# Altium PCB PCB1.PcbDoc (part 3 of 9)
Units mil, origin at the board's own origin, x right, y up, seen from the top; angles counter-clockwise.
Board outline 6000 x 4000 mil, 7 copper layers (Top Layer, InternalPlane1, MidLayer1, InternalPlane2, Internal Plane 3, MidLayer2, Bottom Layer); 389 components, 0 nets, 1750 pads, 1189 vias.
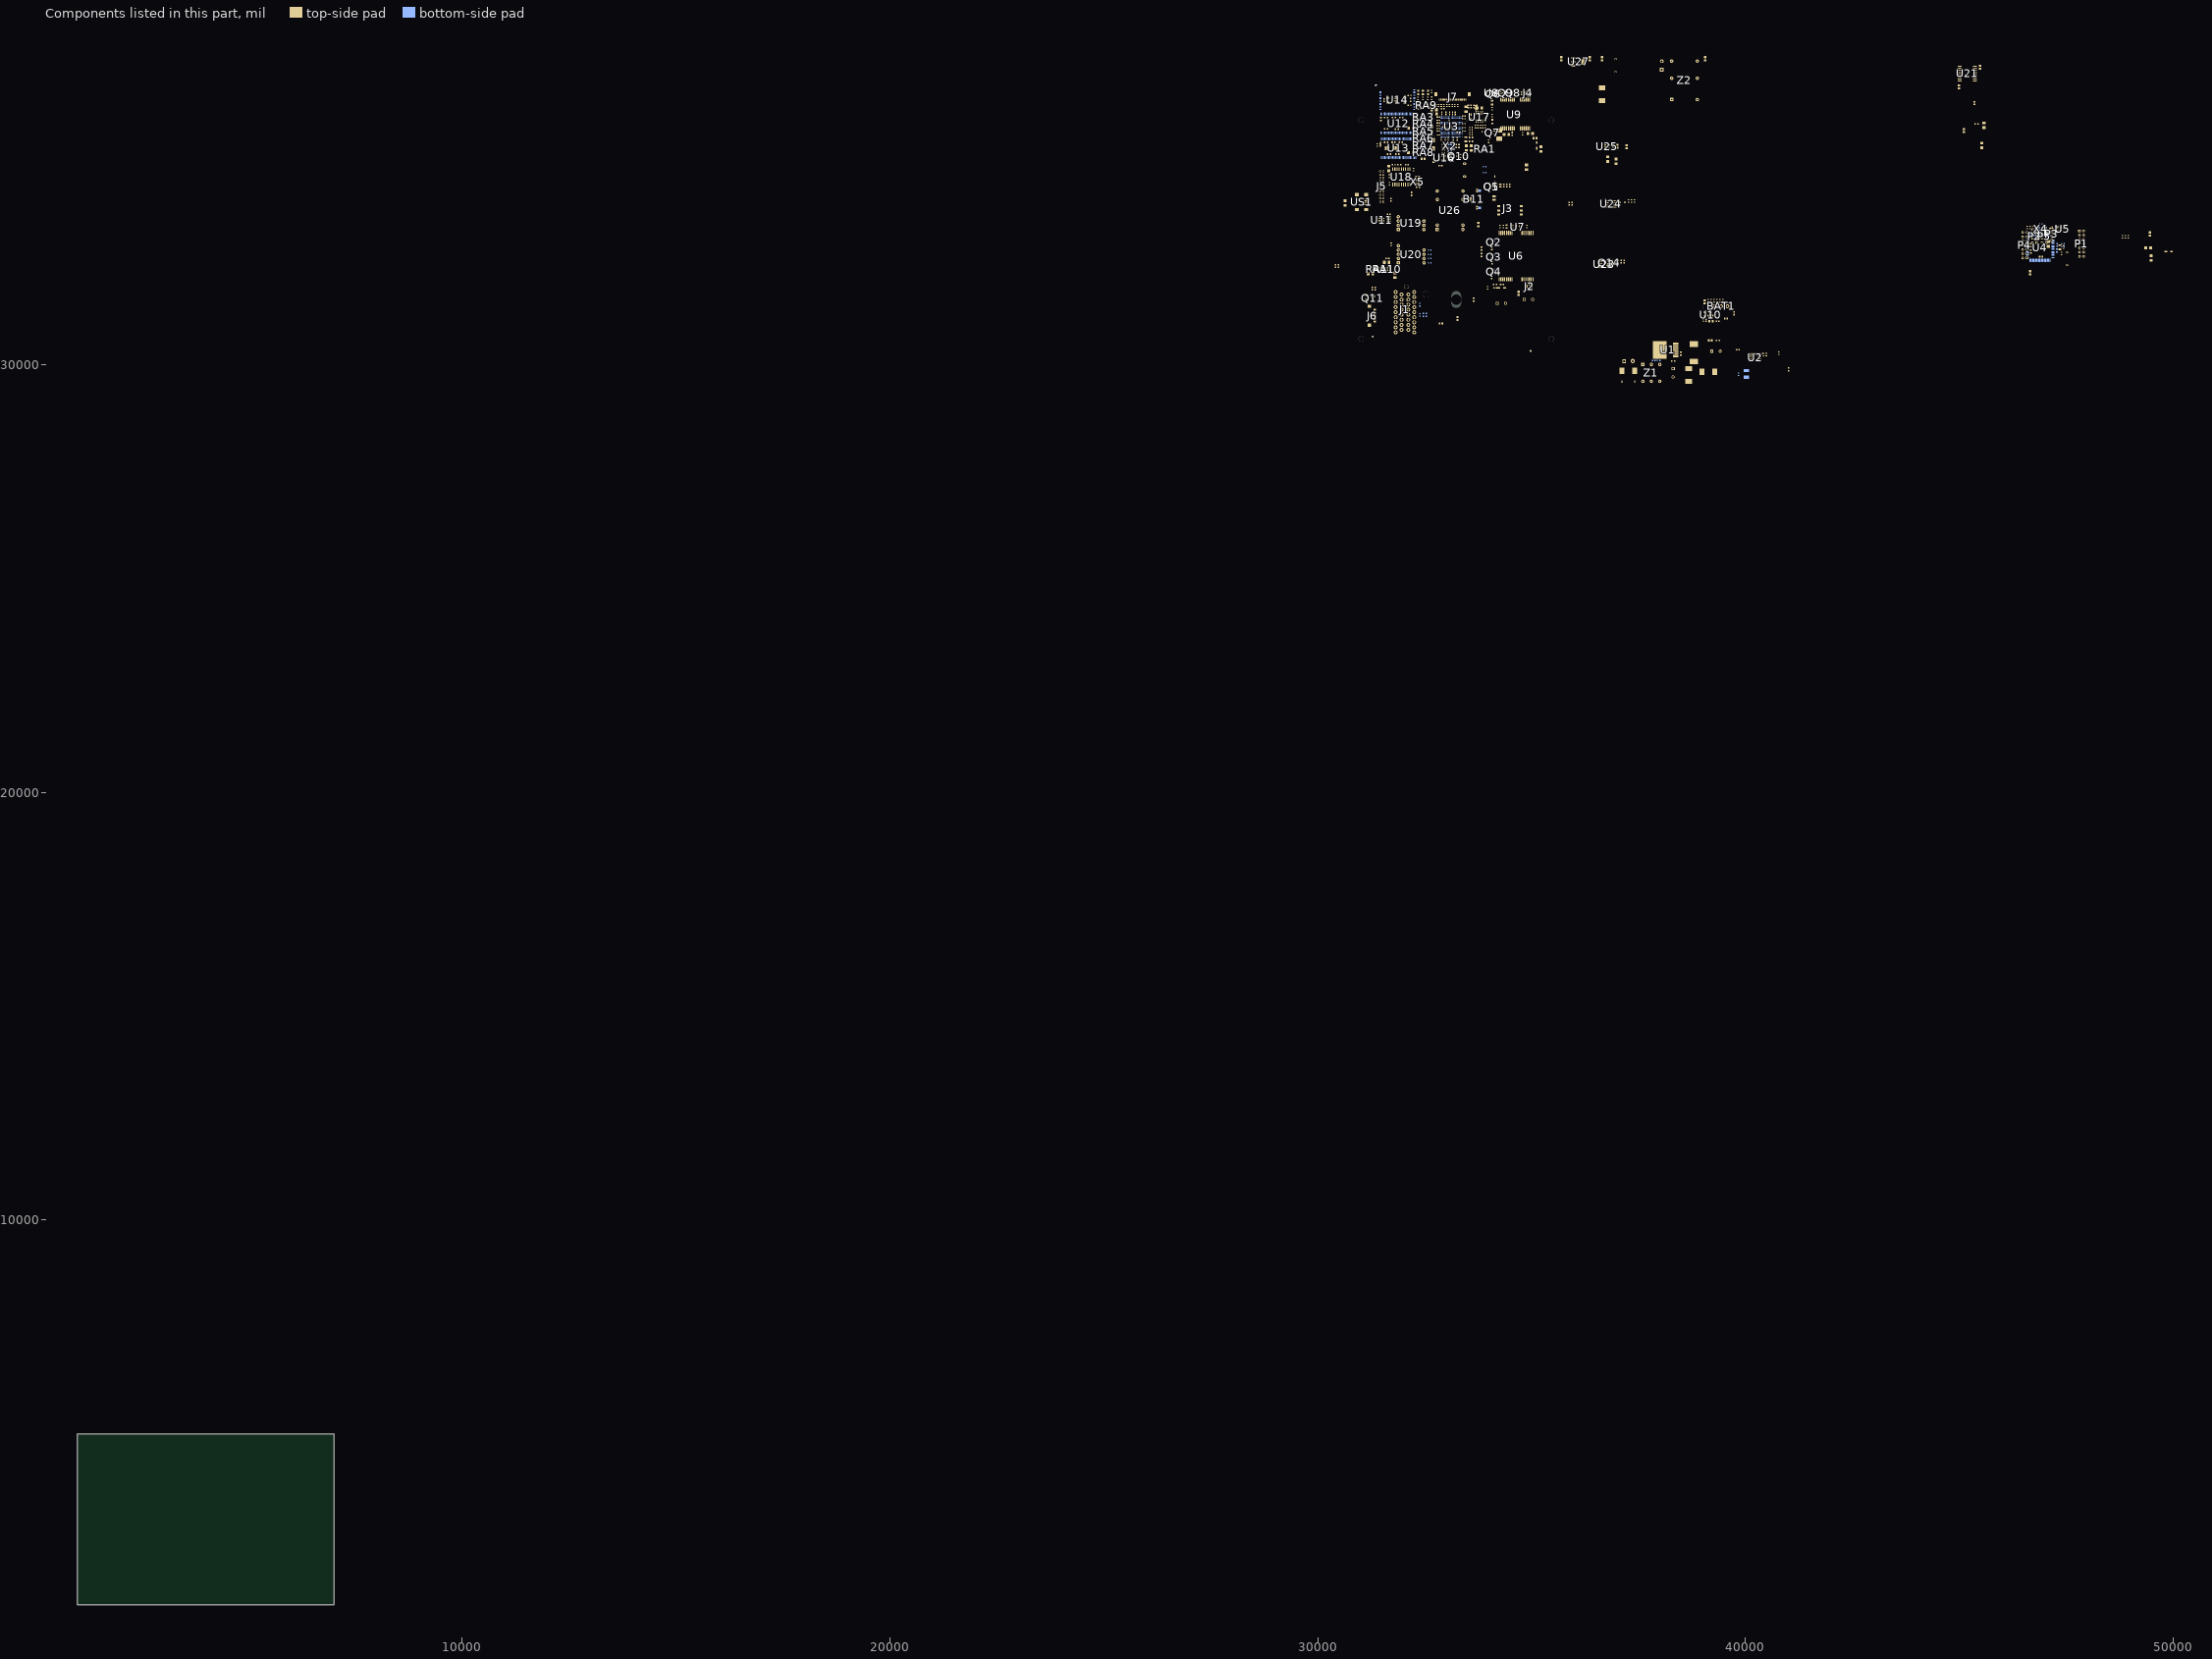
[diagram p8: the components of this part, seen from the top]

## Via types
v1: diameter 18, hole 10, Top Layer to Bottom Layer, tented both sides, 402 vias
v2: diameter 20, hole 10, Top Layer to Bottom Layer, tented both sides, 376 vias
v3: diameter 25, hole 15, Top Layer to Bottom Layer, tented both sides, 361 vias
v4: diameter 23.62, hole 11.81, Top Layer to Bottom Layer, tented both sides, 45 vias
v5: diameter 50, hole 28, Top Layer to Bottom Layer, tented both sides, 4 vias
v6: diameter 30, hole 15, Top Layer to Bottom Layer, tented both sides, 1 vias

## Nets (pads, with @x,y where several pads share a name; then routed paths per layer and width w, separated by ;. In a path a pad name is that pad's centre, name@x,y a point inside that pad or via, vN(x,y) a via of type N, cw(c..) or ccw(c..) an arc to the next point about the centre after c; other vN are vias at no path point) (continued)
copper on no net: (continued)
  Top Layer w10: 31140.05,33745.22 v1(31211.17,33745.22) ; v1@31208.34,33742.39 ccw(c31201.51,33735.57) 31201.51,33745.22 ccw(c31201.51,33754.88) v1@31208.34,33748.05 ; v1@31230.72,31664.64 cw(c31223.89,31657.81) 31233.55,31657.81 cw(c31243.21,31657.81) v1@31236.38,31664.64 ; v1(31233.55,31667.47) 31233.55,31632.03 31255.2,31610.38 ; v1@31256.31,31664.64 cw(c31249.48,31657.81) 31259.14,31657.81 cw(c31268.8,31657.81) v1@31261.97,31664.64 ; 31259.14,31608.41 v1(31259.14,31667.47) ; 31263.08,31609.39 31285.72,31632.03 v1(31285.72,31667.47) ; 31277.46,31755.73 31343.12,31755.73 31345.76,31753.09 ; v1@31282.89,31664.64 cw(c31276.06,31657.81) 31285.72,31657.81 cw(c31295.37,31657.81) v1@31288.54,31664.64 ; v1(31305.36,31183.19) 31337.88,31183.21 ; v1@31308.18,31180.36 cw(c31315.08,31173.47) 31315.08,31183.21 ; v1@31308.18,31186.02 ccw(c31314.95,31192.78) 31314.95,31183.21 ; 31333.94,31608.41 31333.94,31746.2 ; v1@31341.87,31843.7 cw(c31335.05,31836.87) 31344.7,31836.87 cw(c31354.36,31836.87) v1@31347.53,31843.7 ; 31344.7,31814.79 v1(31344.7,31846.53) ; 31474.75,35138.82 v1(31508.28,35138.82) ; v1@31476.92,35690.11 ccw(c31470.09,35696.94) 31479.75,35696.94 ccw(c31489.4,35696.94) v1@31482.57,35690.11 ; v1(31479.75,35687.28) 31479.75,35719.82 ; v1@31505.45,35135.99 ccw(c31498.63,35129.16) 31498.63,35138.82 ccw(c31498.63,35148.48) v1@31505.45,35141.65 ; v1(31514.06,32374.16) 31553.43,32374.16 ; v1(31514.06,32398.76) 31561.31,32398.76 ; v1(31514.06,32424.35) 31557.37,32424.35 ; v1@31516.89,32371.33 cw(c31523.72,32364.5) 31523.72,32374.16 cw(c31523.72,32383.81) v1@31516.89,32376.99 ; v1@31516.89,32395.94 cw(c31523.72,32389.11) 31523.72,32398.76 cw(c31523.72,32408.42) v1@31516.89,32401.59 ; v1@31516.89,32421.53 cw(c31523.72,32414.7) 31523.72,32424.35 cw(c31523.72,32434.01) v1@31516.89,32427.18 ; v2(31518.98,36224.55) 31556.39,36224.55 31558.35,36226.52 ; v1(31519.97,36176.32) 31524.89,36171.4 31557.37,36171.4 ; v2@31522.52,36221.02 cw(c31531.06,36212.48) 31531.06,36224.55 cw(c31531.06,36236.62) v2@31522.52,36228.09 ; v1@31522.8,36179.15 ccw(c31541.51,36197.86) 31541.51,36171.4 ; v1(31535.75,35519.28) 31567.28,35519.28 ; v1@31538.57,35516.46 cw(c31545.4,35509.63) 31545.4,35519.28 cw(c31545.4,35528.94) v1@31538.57,35522.11 ; 31542.27,34216.05 31589.16,34262.94 31686.31,34262.94 ; v1(31565.24,32491.28) 31596.74,32491.28 ; v1@31568.07,32488.46 cw(c31574.9,32481.63) 31574.9,32491.28 cw(c31574.9,32500.94) v1@31568.07,32494.11 ; v1@31634.38,35177.58 ccw(c31627.55,35184.41) 31637.21,35184.41 ccw(c31646.87,35184.41) v1@31640.04,35177.58 ; v1@31634.38,35757.58 ccw(c31627.55,35764.41) 31637.21,35764.41 ccw(c31646.87,35764.41) v1@31640.04,35757.58 ; v1(31637.21,35174.75) 31637.21,35207.28 ; v1(31637.21,35754.75) 31637.21,35787.28 ; v1@31681.51,34178.17 ccw(c31674.68,34185) 31684.34,34185 ccw(c31694,34185) v1@31687.17,34178.17 ; v1(31684.34,34175.34) 31684.34,34204.87 ; v1@31697.38,34963.99 cw(c31690.55,34957.16) 31700.21,34957.16 cw(c31709.87,34957.16) v1@31703.04,34963.99 ; v1@31700.21,33611.24 ccw(c31693.38,33618.07) 31703.04,33618.07 ccw(c31712.7,33618.07) v1@31705.87,33611.24 ; v1(31700.21,34966.82) 31700.21,34933.28 31727.27,34906.23 ; v1(31703.04,33608.41) 31703.04,33639.91 31705.01,33641.87 ; 31713.77,34919.72 cw(c31690.86,34896.8) v1@31723.27,34896.8 ; 31721.74,32796.4 31870.36,32796.4 31874.3,32792.46 ; v1@31723.83,33611.24 ccw(c31717,33618.07) 31726.66,33618.07 ccw(c31736.32,33618.07) v1@31729.49,33611.24 ; v1@31724.49,34899.68 ccw(c31718.17,34906.23) 31727.27,34906.23 ; v1(31726.66,33608.41) 31726.66,33640.89 ; v1(31727.27,34896.8) 31727.27,34906.23 ; v1@31730.05,34899.68 cw(c31736.37,34906.23) 31727.27,34906.23 ; v1@31808.38,35177.65 ccw(c31801.55,35184.48) 31811.21,35184.48 ccw(c31820.87,35184.48) v1@31814.04,35177.65 ; v1(31811.21,35174.82) 31811.21,35207.28 ; v1@31816.38,35756.65 ccw(c31809.55,35763.48) 31819.21,35763.48 ccw(c31828.87,35763.48) v1@31822.04,35756.65 ; v1@31818.93,35238.45 cw(c31812.1,35231.62) 31821.75,35231.62 cw(c31831.41,35231.62) v1@31824.58,35238.45 ; v1(31819.21,35753.82) 31819.21,35787.28 ; 31821.75,35216.3 v1(31821.75,35241.28) ; v1@31881.92,34900.11 ccw(c31875.09,34906.94) 31884.75,34906.94 ccw(c31894.4,34906.94) v1@31887.57,34900.11 ; v1(31884.75,34897.28) 31884.75,34922.82 ; v1@31888.38,35547.92 cw(c31881.55,35541.09) 31891.21,35541.09 cw(c31900.87,35541.09) v1@31894.04,35547.92 ; 31891.21,35518.78 v1(31891.21,35550.75) ; v1@31892.38,34965.92 cw(c31885.55,34959.09) 31895.21,34959.09 cw(c31904.87,34959.09) v1@31898.04,34965.92 ; 31895.21,34933.28 v1(31895.21,34968.75) ; v1@31978.38,35176.65 ccw(c31971.55,35183.48) 31981.21,35183.48 ccw(c31990.87,35183.48) v1@31984.04,35176.65 ; v1(31981.21,35173.82) 31981.21,35207.28 ; v1@31989.38,35755.65 ccw(c31982.55,35762.48) 31992.21,35762.48 ccw(c32001.87,35762.48) v1@31995.04,35755.65 ; v1(31992.21,35752.82) 31992.21,35787.28 ; v2@32056.76,34716.07 cw(c32048.23,34707.53) 32060.3,34707.53 cw(c32072.37,34707.53) v2@32063.83,34716.07 ; 32057.94,34580.3 32060.3,34582.66 32060.3,34682.66 v2(32060.3,34719.6) ; 32175.48,36161.56 32187.29,36173.37 v1(32211.9,36173.37) ; 32175.48,36225.53 32177.45,36223.57 v2(32211.9,36223.57) ; 32198.64,36072.98 cw(c32198.64,36057.75) 32209.41,36068.52 ccw(c32200.87,36059.98) 32200.87,36072.05 ccw(c32200.87,36084.12) v2@32209.41,36075.59 ; v2@32208.36,36220.03 ccw(c32199.83,36211.5) 32199.83,36223.57 ccw(c32199.83,36235.64) v2@32208.36,36227.1 ; v1@32209.07,36170.54 ccw(c32202.24,36163.71) 32202.24,36173.37 ccw(c32202.24,36183.03) v1@32209.07,36176.2 ; v2@32212.94,36067.05 ccw(c32212.94,36083.5) 32224.57,36071.87 ; v2(32212.94,36072.05) 32179.36,36072.05 32178.43,36072.98 32225.68,36072.98 ; v2@32212.94,36077.05 ccw(c32212.94,36117.64) 32241.64,36088.94 ; v2@32216.77,36068.83 cw(c32225.68,36061.33) 32225.68,36072.98 ; 32236.86,34960.28 v1(32281.75,34960.28) ; 32236.86,35539.28 v1(32281.75,35539.28) ; 32259.86,34983.28 v1(32281.75,34983.28) ; 32260.86,34936.28 v1(32281.75,34936.28) ; 32260.86,35515.28 v1(32281.75,35515.28) ; v1@32278.92,34933.46 ccw(c32272.09,34926.63) 32272.09,34936.28 ccw(c32272.09,34945.94) v1@32278.92,34939.11 ; v1@32278.92,34957.46 ccw(c32272.09,34950.63) 32272.09,34960.28 ccw(c32272.09,34969.94) v1@32278.92,34963.11 ; v1@32278.92,34980.46 ccw(c32272.09,34973.63) 32272.09,34983.28 ccw(c32272.09,34992.94) v1@32278.92,34986.11 ; v1@32278.92,35512.46 ccw(c32272.09,35505.63) 32272.09,35515.28 ccw(c32272.09,35524.94) v1@32278.92,35518.11 ; v1@32278.92,35536.46 ccw(c32272.09,35529.63) 32272.09,35539.28 ccw(c32272.09,35548.94) v1@32278.92,35542.11 ; v1@32290.92,35115.79 ccw(c32284.09,35122.62) 32293.75,35122.62 ccw(c32303.4,35122.62) v1@32296.57,35115.79 ; v1(32293.75,35112.96) 32293.75,35143.82 ; v1@32294.92,35695.11 ccw(c32288.09,35701.94) 32297.75,35701.94 ccw(c32307.4,35701.94) v1@32300.57,35695.11 ; v1(32297.75,35692.28) 32297.75,35724.82 ; 32345.76,36137.94 32290.64,36137.94 32225.68,36072.98 ; 32351.64,36264.08 32351.64,36326.87 ; 32461.9,36328.84 32461.9,36265.06 32462.88,36264.08 ; 32581.98,36264.57 32581.98,36328.84 ; v1@32667.68,35411.86 ccw(c32660.81,35418.74) 32670.53,35418.74 ; v1@32670.53,35409.05 32670.53,35456.28 ; 32670.53,35418.64 ccw(c32680.12,35418.64) v1@32673.34,35411.86 ; v1@32770.93,35404.06 cw(c32770.93,35394.4) 32777.76,35401.23 cw(c32784.58,35408.06) v1@32774.93,35408.06 ; v1(32770.93,35408.06) 32801.44,35377.54 32801.44,35376.56 ; v1(32772.29,35470.83) 32801.03,35470.83 ; v1(32772.62,35528.7) 32801.03,35528.7 ; v2(32772.62,35596.7) 32801.03,35596.7 ; v2(32772.75,35721.83) 32801.03,35721.83 ; v2(32772.75,35795.83) 32800.57,35795.83 32801.03,35796.28 ; v1@32775.12,35468 cw(c32781.95,35461.17) 32781.95,35470.83 cw(c32781.95,35480.48) v1@32775.12,35473.66 ; v1@32775.45,35525.87 cw(c32782.28,35519.04) 32782.28,35528.7 cw(c32782.28,35538.36) v1@32775.45,35531.53 ; v2@32776.16,35593.16 cw(c32784.69,35584.63) 32784.69,35596.7 cw(c32784.69,35608.77) v2@32776.16,35600.24 ; v2@32776.28,35718.29 cw(c32784.82,35709.76) 32784.82,35721.83 cw(c32784.82,35733.9) v2@32776.28,35725.36 ; v2@32776.28,35792.29 cw(c32784.82,35783.76) 32784.82,35795.83 cw(c32784.82,35807.9) v2@32776.28,35799.36 ; v2@32823.95,35966.53 ccw(c32815.42,35957.99) 32815.42,35970.06 ccw(c32815.42,35982.14) v2@32823.95,35973.6 ; v2(32827.49,35946.56) 32802.31,35946.56 32778.8,35970.06 ; v2(32827.49,35970.06) 32778.8,35970.06 ; v1(32830.97,35240.73) 32847.7,35257.47 32890.02,35257.47 ; v1@32830.97,35244.73 ccw(c32830.97,35254.39) 32837.8,35247.56 ccw(c32844.62,35240.73) v1@32834.97,35240.73 ; v1@32838.83,36247.16 cw(c32832.01,36240.33) 32841.66,36240.33 cw(c32851.32,36240.33) v1@32844.49,36247.16 ; 32841.66,36205.72 v1(32841.66,36249.99) ; 32852.21,35470.83 32852.43,35471.05 v1(32890.02,35471.05) ; 32852.21,35528.7 32888.62,35565.11 v1(32888.62,35565.7) ; 32852.21,35596.7 32858.24,35590.68 v1(32858.24,35565.83) ; 32852.21,35658.83 32858.76,35665.38 v1@32858.76,35691.28 ; 32852.21,35721.83 32859.72,35721.83 v1(32890.02,35691.52) ; 32852.21,35796.28 32868.8,35796.28 v1(32890.02,35817.51) ; 32852.62,35376.56 32858.75,35370.43 v1(32858.75,35345.28) v1@32858.75,35344.88 ; v1@32855.41,35568.66 ccw(c32848.58,35575.48) 32858.24,35575.48 ccw(c32867.89,35575.48) v1@32861.06,35568.66 ; v1@32855.92,35348.11 ccw(c32849.09,35354.94) 32858.75,35354.94 ccw(c32868.4,35354.94) v1@32861.57,35348.11 ; 32858.76,35680.06 cw(c32870.97,35680.06) v1@32862.34,35688.69 ; v2@32868.8,35959.39 ccw(c32860.26,35967.92) 32872.33,35967.92 ccw(c32884.4,35967.92) v2@32875.87,35959.39 ; v2(32872.33,35955.85) 32872.33,35971.6 32896.94,35996.2 ; 32881.38,35557.86 ccw(c32873.54,35565.7) v1@32884.62,35565.7 ; v1@32886.02,35691.52 ccw(c32876.37,35691.52) 32883.2,35698.35 ccw(c32890.02,35705.18) v1@32890.02,35695.52 ; v1@32886.02,35817.51 cw(c32876.37,35817.51) 32883.19,35810.68 cw(c32890.02,35803.85) v1@32890.02,35813.51 ; v1@32887.19,35342.24 cw(c32880.37,35335.41) 32890.02,35335.41 cw(c32899.68,35335.41) v1@32892.85,35342.24 ; v1@32887.19,35468.22 ccw(c32880.37,35461.39) 32880.37,35471.05 ccw(c32880.37,35480.71) v1@32887.19,35473.88 ; 32890.02,35308.65 v1(32890.02,35345.06) ; 32907.64,35857.8 v1(32937.27,35857.8) ; v4@32915.59,36248.12 cw(c32903.96,36236.5) 32920.4,36236.5 cw(c32936.85,36236.5) v4@32925.22,36248.12 ; 32920.4,36205.72 v4(32920.4,36252.94) ; v1(32921.52,35534.04) 32934.03,35546.55 32934.03,35568.83 ; v1@32921.52,35538.04 ccw(c32921.52,35547.7) 32928.35,35540.87 ccw(c32935.18,35534.04) v1@32925.52,35534.04 ; v1@32934.44,35854.98 ccw(c32927.61,35848.15) 32927.61,35857.8 ccw(c32927.61,35867.46) v1@32934.44,35860.63 ; v2(32938.19,34754.16) 32938.36,34754.16 32980.05,34795.85 32988.45,34795.85 33053.41,34795.85 33058.33,34790.93 33058.33,34878.04 33058.33,34965.14 ; v2@32938.19,34759.16 ccw(c32938.19,34771.65) 32947.02,34762.82 ; v2@32943.19,34754.16 cw(c32954.85,34754.16) 32946.6,34762.41 ; v1@32952.03,35344.08 v1(32953.01,35345.06) ; 32955.99,35996.2 32924.5,36027.7 32861.39,36027.7 v2(32827.49,35993.8) 32802.54,35993.8 32778.8,35970.06 ; v1@32976.63,36246.48 cw(c32969.8,36239.66) 32979.46,36239.66 cw(c32989.12,36239.66) v1@32982.29,36246.48 ; 32979.46,36205.72 v1(32979.46,36249.31) ; 32984.51,35257.47 33014.05,35257.47 v1(33015.02,35258.43) 33053.39,35258.43 ; 32984.51,35308.65 32984.51,35313.57 v1(33016.01,35345.06) ; 32985.21,35568.83 32986.53,35567.5 v1@33016,35567.5 ; 33000.57,35856.29 v1(33031.75,35856.29) ; 33001.6,35567.5 cw(c33001.6,35551.13) v1@33013.18,35562.71 ; 33003.02,35257.47 ccw(c33003.02,35270.43) v1@33012.19,35261.26 ; v1@33012.01,35345.06 cw(c33002.35,35345.06) 33009.18,35338.24 cw(c33016.01,35331.41) v1@33016.01,35341.06 ; v1(33016.01,35311.6) 33051.44,35311.6 33053.41,35309.63 ; v1@33017.85,35255.61 cw(c33024.68,35248.78) 33024.68,35258.43 cw(c33024.68,35268.09) v1@33017.85,35261.26 ; v1@33018.83,35308.77 cw(c33025.66,35301.94) 33025.66,35311.6 cw(c33025.66,35321.26) v1@33018.83,35314.43 ; v1@33028.93,35853.46 ccw(c33022.1,35846.64) 33022.1,35856.29 ccw(c33022.1,35865.95) v1@33028.93,35859.12 ; v1@33076.17,35751.69 cw(c33069.34,35744.86) 33079,35744.86 cw(c33088.66,35744.86) v1@33081.83,35751.69 ; v1@33079,35467.05 cw(c33079,35457.39) 33085.83,35464.22 cw(c33092.66,35471.05) v1@33083,35471.05 ; v1(33079,35471.05) v1(33110.49,35439.55) ; 33079,35719.62 33079,35733.84 v1(33079,35754.51) ; 33090.75,35860.69 33090.75,35837.25 v1(33110.49,35817.51) ; v1@33106.49,35439.55 ccw(c33096.84,35439.55) 33103.67,35446.38 ccw(c33110.49,35453.21) v1@33110.49,35443.55 ; v1@33106.49,35817.51 ccw(c33096.84,35817.51) 33103.67,35824.34 ccw(c33110.49,35831.16) v1@33110.49,35821.51 ; v1(33110.49,35565.54) 33115.42,35570.46 33142.97,35570.46 ; v1@33113.32,35562.71 cw(c33132.03,35544) 33132.03,35570.46 ; v2@33113.85,34823.35 cw(c33105.31,34814.82) 33117.38,34814.82 cw(c33129.46,34814.82) v2@33120.92,34823.35 ; v1@33114.42,36245.5 cw(c33107.6,36238.67) 33117.25,36238.67 cw(c33126.91,36238.67) v1@33120.08,36245.5 ; 33117.25,36205.72 v1(33117.25,36248.33) ; 33117.38,34790.93 v2(33117.38,34826.89) ; v1(33126.24,35856.78) 33155.83,35856.78 33159.75,35860.69 ; v1@33129.07,35853.95 cw(c33135.9,35847.12) 33135.9,35856.78 cw(c33135.9,35866.44) v1@33129.07,35859.61 ; v1(33141.99,35313.57) 33172.5,35313.57 ; 33142.97,35519.28 33159.71,35502.54 v1(33173.49,35502.54) ; 33143.13,35519.12 ccw(c33173.49,35549.47) v1@33173.49,35506.54 ; v1@33144.82,35310.74 cw(c33151.65,35303.91) 33151.65,35313.57 cw(c33151.65,35323.23) v1@33144.82,35316.4 ; 33160.21,35502.05 ccw(c33173.49,35515.33) v1@33173.49,35496.54 ; v1@33170.66,35499.72 ccw(c33163.83,35492.89) 33163.83,35502.54 ccw(c33163.83,35512.2) v1@33170.66,35505.37 ; v1(33204.98,35817.51) 33220.75,35833.27 33220.75,35860.69 ; v1@33204.98,35821.51 ccw(c33204.98,35831.16) 33211.81,35824.34 ccw(c33218.64,35817.51) v1@33208.98,35817.51 ; v1(33236.48,35439.55) 33268.96,35439.55 ; v1@33239.31,35436.72 cw(c33246.14,35429.89) 33246.14,35439.55 cw(c33246.13,35449.21) v1@33239.31,35442.38 ; v1@33252.22,36244.2 cw(c33245.39,36237.38) 33255.05,36237.38 cw(c33264.71,36237.38) v1@33257.88,36244.2 ; 33255.05,36205.72 v1(33255.05,36247.03) ; 33266.99,35313.57 33266.99,35344.08 v1(33267.98,35345.06) ; 33266.99,35333.03 cw(c33280.01,35333.03) v1@33270.8,35342.24 ; v1@33296.67,35306.37 cw(c33280.4,35290.1) 33303.41,35290.1 ; v1(33299.5,35309.2) 33303.41,35305.29 33303.41,35153.13 ; v1(33362.46,35471.05) 33399.86,35471.05 ; v1(33362.46,35628.53) 33364.43,35628.53 33390.02,35654.12 33368.37,35654.12 v1(33362.46,35660.03) ; v1@33362.46,35632.53 ccw(c33362.46,35646.93) 33372.65,35636.75 ; v1(33362.46,35754.51) 33393.96,35754.51 33402.82,35754.51 ; v1@33363.45,35818.49 33393.96,35818.49 33401.83,35818.49 ; v1@33365.29,35468.22 cw(c33372.12,35461.39) 33372.12,35471.05 cw(c33372.12,35480.71) v1@33365.29,35473.88 ; v1@33365.29,35662.86 ccw(c33386.39,35683.95) 33386.39,35654.12 ; v1@33365.29,35751.69 cw(c33372.12,35744.86) 33372.12,35754.51 ; v1@33365.29,35757.34 ccw(c33372.13,35764.18) 33372.13,35754.51 ; v1@33365.29,35814.68 cw(c33374.49,35805.48) 33374.49,35818.49 ; v2@33377.65,35225.94 cw(c33369.12,35217.4) 33381.19,35217.4 cw(c33393.26,35217.4) v2@33384.72,35225.94 ; 33381.19,35183.21 33381.19,35196.01 v2(33381.19,35229.47) ; v1@33390.01,36248.45 cw(c33383.19,36241.63) 33392.84,36241.63 cw(c33402.5,36241.63) v1@33395.67,36248.45 ; 33392.84,36205.72 v1(33392.84,36251.28) ; v1@33394.04,35304.33 v1(33394.04,35305.44) ; v1@33398.02,35521.12 ccw(c33391.19,35527.95) 33400.85,35527.95 ccw(c33410.51,35527.95) v1@33403.68,35521.12 ; v1(33400.85,35518.29) 33400.85,35545.85 ; 33442.21,35642.86 33447.11,35637.96 33447.11,35550.77 v1(33476.23,35550.77) ; 33445.14,35471.05 v1(33475.24,35471.05) ; 33445.14,35645.26 v1@33445.14,35676.3 ; 33445.14,35662.26 cw(c33458.24,35662.26) v1@33448.98,35671.53 ; 33445.14,35754.51 v1(33474.67,35754.51) ; 33445.14,35818.49 v1(33475.65,35818.49) ; v1@33468.75,36251.09 cw(c33461.93,36244.26) 33471.58,36244.26 cw(c33481.24,36244.26) v1@33474.41,36251.09 ; 33471.58,36205.72 v1(33471.58,36253.92) ; v1@33471.84,35751.68 ccw(c33465.01,35744.86) 33465.01,35754.51 ccw(c33465.01,35764.17) v1@33471.84,35757.34 ; v1@33472.41,35468.22 ccw(c33465.59,35461.39) 33465.59,35471.05 ccw(c33465.59,35480.71) v1@33472.41,35473.88 ; v1@33472.82,35815.66 ccw(c33466,35808.83) 33466,35818.49 ccw(c33466,35828.15) v1@33472.82,35821.32 ; v1@33473.4,35547.94 ccw(c33466.57,35541.12) 33466.57,35550.77 ccw(c33466.57,35560.43) v1@33473.4,35553.6 ; v1@33478.73,34979.37 ccw(c33471.9,34986.2) 33481.56,34986.2 ccw(c33491.21,34986.2) v1@33484.39,34979.37 ; v1(33481.56,34976.54) 33481.56,35017.31 ; v1(33503.21,34976.54) 33503.21,34995.65 ; v1@33566.35,35698.84 ccw(c33559.52,35705.66) 33569.18,35705.66 ccw(c33578.84,35705.66) v1@33572.01,35698.84 ; v1(33569.18,35696.01) 33569.18,35747.19 ; v1(33593.76,34972.56) 33593.76,35017.31 ; 33593.76,35128.53 33593.76,35137.96 ; v1(33616.45,34972.56) 33616.45,34994.62 ; 33618.4,35387.94 v2(33647.92,35387.94) ; 33618.4,35445.68 v1(33643.66,35445.68) ; 33618.4,35496.21 33618.4,35503.43 33618.4,35561.17 ; v1@33640.83,35442.86 ccw(c33634,35436.03) 33634,35445.68 ccw(c33634,35455.34) v1@33640.83,35448.51 ; v2@33644.38,35384.41 ccw(c33635.85,35375.87) 33635.85,35387.94 ccw(c33635.85,35400.01) v2@33644.38,35391.48 ; 33777.26,34279.09 cw(c33768.72,34270.55) 33780.8,34270.55 cw(c33792.87,34270.55) 33784.33,34279.09 ; 33780.8,34240.3 33780.8,34282.62 ; 33783.75,34246.2 33785.72,34248.17 33841.82,34192.07 33841.82,34011.95 33787.62,33957.76 33787.62,33913.96 ; 33785.22,33819.04 33787.62,33821.44 ; v4@33917.47,35515.54 ccw(c33905.84,35527.17) 33922.28,35527.17 ccw(c33938.72,35527.17) v4@33927.1,35515.54 ; v4(33922.28,35510.72) 33922.28,35546.61 ; v2@33922.53,32520.81 33937.29,32535.57 33937.29,32580.85 ; v2@33926.46,32528.76 ccw(c33926.46,32538.46) 33933.32,32531.6 ; v2@33931.46,32523.76 cw(c33945.91,32523.76) 33935.7,32533.98 ; 34054.42,35429.28 34083.92,35458.78 34083.92,35648.7 ; 34082.93,35803.42 34083.92,35802.44 34083.92,35735.71 ; 34128.24,33864.51 v2(34191.03,33864.51) ; v2@34151.28,35342.26 ccw(c34140.36,35353.17) 34155.8,35353.17 ; v2@34155.8,35342.66 34155.8,35373.18 34137.1,35391.88 34179.42,35434.2 34179.42,36191.09 34204.02,36215.69 34277.8,36215.69 34290.6,36202.9 ; 34161.7,36300.34 34184.34,36277.7 34348.71,36277.7 34377.21,36249.2 34377.21,36202.9 ; v2@34187.5,33860.98 ccw(c34178.96,33852.44) 34178.96,33864.51 ccw(c34178.96,33876.58) v2@34187.5,33868.05 ; v2@34211.9,33193.96 cw(c34211.9,33181.89) 34220.43,33190.43 cw(c34228.97,33198.96) v2@34216.9,33198.96 ; v2(34211.9,33198.96) 34287.69,33123.17 34287.69,33087.74 ; v2@34214.27,35336.35 ccw(c34205.73,35344.89) 34217.8,35344.89 ccw(c34229.87,35344.89) v2@34221.34,35336.35 ; v2(34217.8,35332.82) 34217.8,35364.31 ; 34217.8,35423.37 34258.16,35463.72 34358.55,35463.72 34377.21,35482.39 34377.21,35533.61 ; v2@34232.97,33478.09 ccw(c34224.43,33486.62) 34236.5,33486.62 ccw(c34248.58,33486.62) v2@34240.04,33478.09 ; v2(34236.5,33474.55) 34236.5,33514.91 ; 34236.5,33714.91 34276.66,33714.91 v2(34287.69,33703.88) 34340.83,33650.73 34340.83,33265.89 ; 34266.03,33206.83 34330.99,33141.87 34330.99,33087.74 ; 34277.84,35137.94 34277.84,35363.33 ; 34277.84,35422.39 34281.78,35422.39 34302.45,35443.06 34385.13,35443.06 34420.52,35478.45 34420.52,35533.61 ; 34279.81,36394.83 34291.62,36406.64 34397.92,36406.64 v2(34429.42,36406.64) ; v2@34282.69,33703.88 ccw(c34270.61,33703.88) 34279.15,33712.42 ccw(c34287.69,33720.95) v2@34287.69,33708.88 ; v2@34287.69,33698.88 cw(c34287.69,33686.81) 34296.22,33695.35 cw(c34304.76,33703.88) v2@34292.69,33703.88 ; 34340.83,33206.83 34374.3,33173.37 34374.3,33087.74 ; v2@34353.05,34070.61 ccw(c34344.51,34079.14) 34356.58,34079.14 ccw(c34368.65,34079.14) v2@34360.12,34070.61 ; v2(34356.58,34067.07) 34356.58,34119.24 ; 34360.52,36323.96 34401.86,36365.3 34539.65,36365.3 34540.64,36366.28 ; v2@34415.06,33302.71 cw(c34406.52,33294.17) 34418.59,33294.17 cw(c34430.66,33294.17) v2@34422.13,33302.71 ; 34417.61,33087.74 34417.61,33203.88 34418.59,33204.87 34419.57,33205.85 34490.44,33205.85 